# Altium PCB Computer_Board_Mockup.PcbDoc (part 4 of 5) (continued)
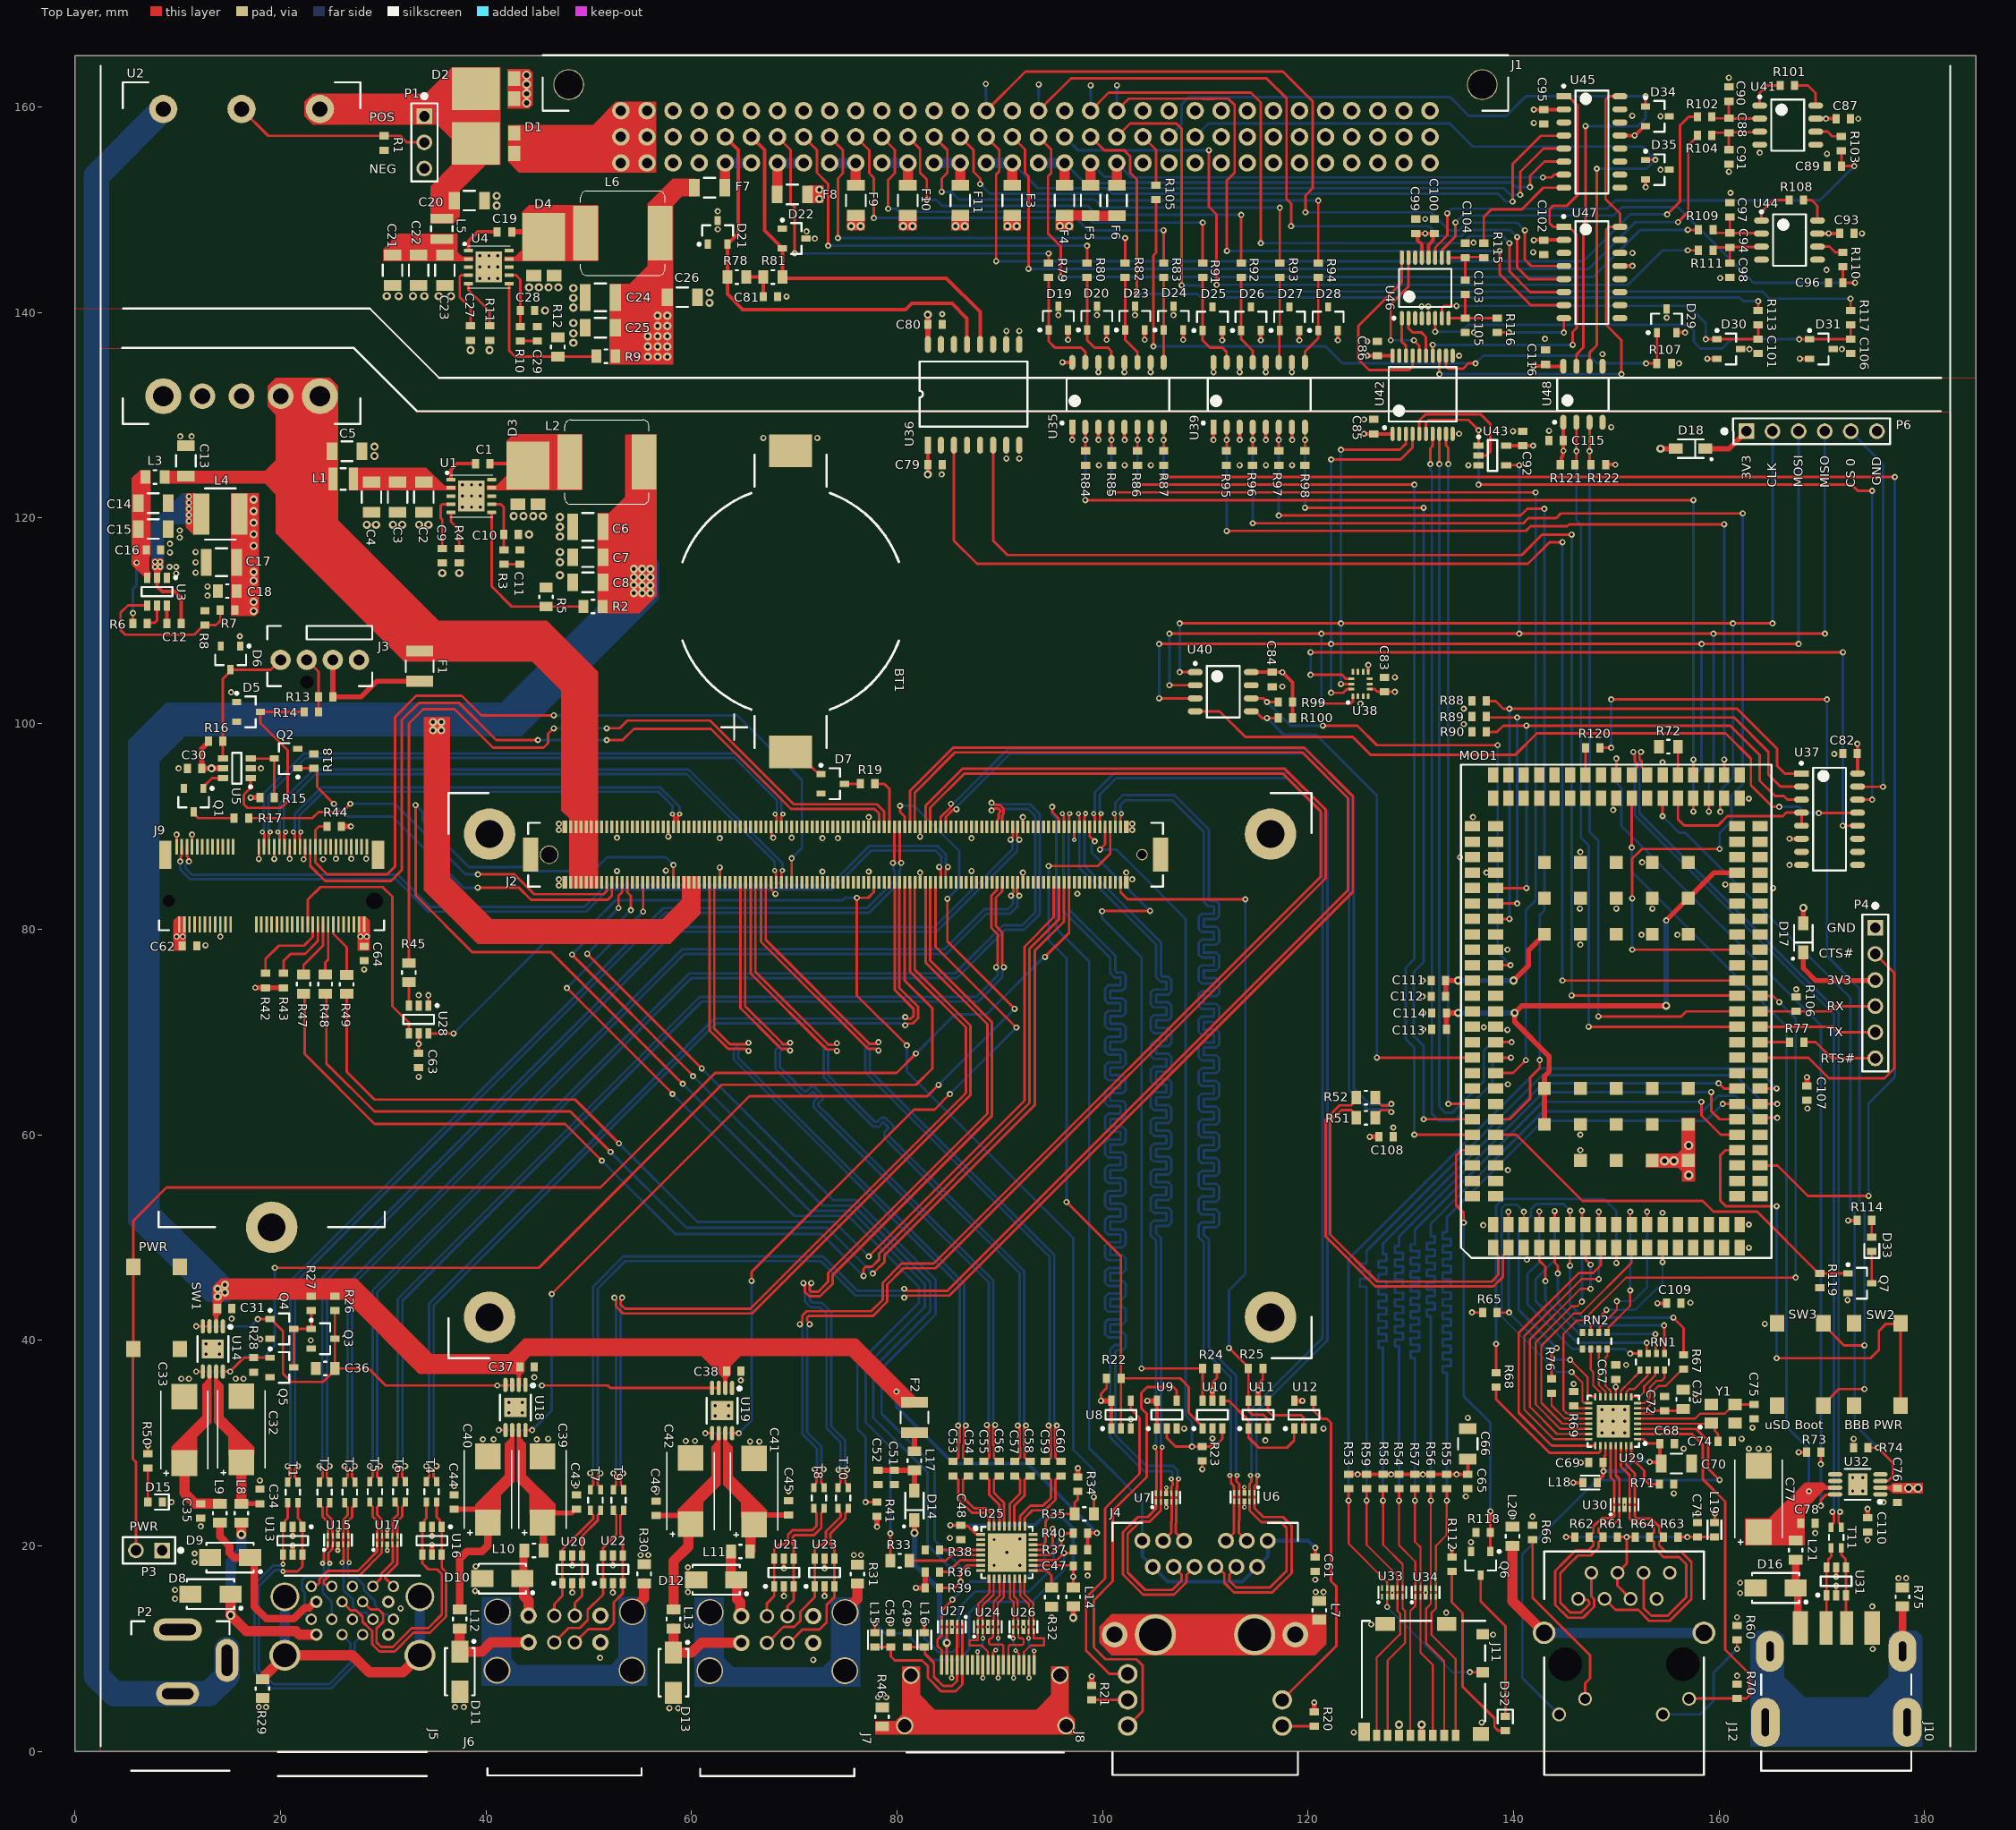
[diagram p0: Top Layer view]
## Nets (pads, with @x,y where several pads share a name; then routed paths per layer and width w, separated by ;. In a path a pad name is that pad's centre, name@x,y a point inside that pad or via, vN(x,y) a via of type N, cw(c..) or ccw(c..) an arc to the next point about the centre after c; other vN are vias at no path point) (continued)
  Top Layer w0.25: MOD1.47@164,72 168.25,72 169.25,72 170.8,72 171.31,72.51 P4.4@175.2,72.51
NetMOD1_89: MOD1.89 R72.2 | length 2.8
  Top Layer w0.2: MOD1.89@156,95 R72.2@156,97.75
NetMOD1_95: MOD1.95 R120.2 | length 2.6
  Top Layer w0.25: MOD1.95@147,95 R120.2@147,97.65
NetP1_2: P1.2 R1.1 U2.2 | length 19.1
  Top Layer w0.25: U2.2@16.22,159.8 18.82,157.2 R1.1@30.1,157.2 31.65,157.2 32.29,156.56 P1.2@34,156.56
NetP4_6: P4.6 R77.2 | length 7.6
  Top Layer w0.25: R77.2@168.27,68.98 R77.2@168.25,69 169.4,69 170.97,67.43 P4.6@175.2,67.43
NetQ1_1: Q1.1 U5.6 | length 2.4
  Top Layer w0.25: Q1.1@12.5,93.7 12.5,93.85 13.35,94.7 U5.6@14.4,94.7
NetQ1_3: Q1.3 R17.1 | length 4.3
  Top Layer w0.25: Q1.3@11.55,91.4 11.55,91.25 12,90.8 R17.1@15.5,90.8
NetQ2_3: Q2.3 R15.1 U5.3 | length 6.1
  Top Layer w0.25: U5.3@17.1,96.6 Q2.3@19.4,96.6 R15.1@19.4,92.8
NetQ3_1: Q3.1 Q4.3 Q5.3 R27.2 | length 7.3
  Top Layer w0.25: Q5.3@21.3,37.35 Q4.3@21.3,41.1 Q3.1@23,41.1 R27.2@23,42.9
NetR2_2: R2.2 R5.1 U1.6 | length 17
  Top Layer w0.25: U1.6@40.55,120.55 40.55,113.35 42.5,111.4 R5.1@45.85,111.4 R2.2@49.5,111.4
NetR4_1: R4.1 U1.5 | length 3.8
  Top Layer w0.25: U1.5@36.6,120.55 36.6,119.65 37.4,118.85 R4.1@37.4,117.05
NetR6_2: R6.2 U3.5 | length 2.5
  Top Layer w0.25: R6.2@7.05,109.75 7.1,109.8 7.75,109.8 8,110.05 U3.5@8,111.5
NetR7_2: R7.2 R8.1 U3.4 | length 16.1
  Top Layer w0.25: U3.4@7.05,111.5 5.15,111.5 4.45,110.8 4.45,109.1 4.9,108.65 11.6,108.65 12.55,109.6 R8.1@12.65,109.6 13.75,109.6 14.15,110 R7.2@14.15,111.05
NetR9_2: R9.2 R12.1 U4.6 | length 15.3
  Top Layer w0.25: U4.6@42.25,142.825 42.25,136.3 42.825,135.725 R12.1@47,135.725 50.725,135.725 R9.2@50.75,135.75
NetR11_1: R11.1 U4.5 | length 5
  Top Layer w0.25: U4.5@38.3,142.825 38.3,142.2 40.35,140.15 R11.1@40.35,138.7
NetR32_1: R32.1 U25.17 | length 3.2
  Top Layer w0.25: U25.17@93.25,17.6 94.55,17.6 95.021,17.129 R32.1@95.021,15.925
NetR34_2: R34.2 R35.2 U25.22 | length 8.8
  Top Layer w0.25: U25.22@93.25,20.1 94.2,20.1 94.45,20.35 94.45,22.4 95.15,23.1 R35.2@97.3,23.1 97.3,24.2 97.6,24.5 R34.2@97.6,25.3
NetR38_1: R38.1 U25.4 | length 4
  Top Layer w0.25: R38.1@84.15,19.6 U25.4@88.15,19.6
NetR45_1: R45.1 U28.3 | length 2.3
  Top Layer w0.25: U28.3@32.5,72.575 R45.1@32.5,74.85
NetR67_2: R67.2 U29.7 | length 6.7
  Top Layer w0.2: U29.7@152.075,33.375 152.975,33.375 153.7,34.1 153.7,35.15 154.1,35.55 154.8,35.55 156.2,36.95 156.45,37.2 R67.2@156.55,37.2
NetR68_2: R68.2 U29.26 | length 14.1
  Top Layer w0.25: R68.2@138.3,35.45 138.3,34.25 143.5,29.05 148.304,29.05 148.45,29.196 U29.26@148.45,29.75
NetR69_2: R69.2 U29.18 | length 1.5
  Top Layer w0.25: R69.2@145.9,33.55 146.075,33.375 146.321,33.375 U29.18@147.325,33.375
NetR71_1: R71.1 U29.32 | length 5.5
  Top Layer w0.25: U29.32@151.45,29.75 151.45,28.55 152.7,27.3 152.7,26.5 153.2,26 R71.1@154.2,26
NetR76_2: R76.2 U29.20 | length 5.4
  Top Layer w0.2: R76.2@143.7,34.85 143.7,33.65 144.975,32.375 U29.20@147.325,32.375
NetR101_1: R101.1 U41.8 | length 3.6
  Top Layer w0.25: R101.1@167.35,162.1 168.65,162.1 169.4,161.35 U41.8@169.4,160.14
NetR101_2: R101.2 U41.1 | length 3.5
  Top Layer w0.25: U41.1@163.95,160.14 163.95,161.35 164.7,162.1 R101.2@165.95,162.1
NetR103_2: R103.2 U41.6 | length 2.7
  Top Layer w0.25: U41.6@169.4,157.6 170.55,157.6 171,157.15 R103.2@171.9,157.15
NetR108_1: R108.1 U44.8 | length 3
  Top Layer w0.25: R108.1@168.2,150.95 169,150.95 169.575,150.375 U44.8@169.575,148.955
NetR108_2: R108.2 U44.1 | length 4
  Top Layer w0.25: U44.1@164.125,148.955 164.125,149.775 165.3,150.95 R108.2@166.8,150.95
NetR110_2: R110.2 U44.6 | length 2.7
  Top Layer w0.25: U44.6@169.575,146.415 170.735,146.415 171.3,145.85 R110.2@172.05,145.85
NetRN1_5: RN1.5 U29.11 | length 3.4
  Top Layer w0.2: U29.11@150.45,34.5 150.45,35.1 151.25,35.9 152.15,36.8 152.15,36.95 RN1.5@152.3,37.1
NetRN1_6: RN1.6 U29.10 | length 3.8
  Top Layer w0.2: U29.10@150.95,34.5 150.975,34.525 150.975,34.975 151.25,35.25 151.75,35.25 153.067,36.567 153.067,37.067 RN1.6@153.1,37.1
NetRN1_7: RN1.7 U29.9 | length 4.1
  Top Layer w0.2: U29.9@151.45,34.5 152.25,34.5 152.7,34.95 152.7,35.5 153.788,36.588 153.788,36.988 RN1.7@153.9,37.1
NetRN1_8: RN1.8 U29.8 | length 5
  Top Layer w0.2: U29.8@152.075,33.875 152.725,33.875 153.25,34.4 153.25,35.4 153.9,36.05 154.4,36.05 154.7,36.35 RN1.8@154.7,37.1
NetRN2_6: RN2.6 U29.15 | length 5
  Top Layer w0.2: RN2.6@147.5,39.15 147.5,37.15 147.75,36.9 147.75,35.6 148.425,34.925 148.425,34.525 U29.15@148.45,34.5
NetRN2_7: RN2.7 U29.14 | length 4.9
  Top Layer w0.2: RN2.7@148.3,39.15 148.3,35.65 148.95,35 U29.14@148.95,34.5
NetRN2_8: RN2.8 U29.13 | length 5
  Top Layer w0.2: RN2.8@149.1,39.15 149.15,39.1 149.15,38.5 148.95,38.3 148.95,35.55 149.45,35.05 U29.13@149.45,34.5
NetU10_4: U10.4 U11.1 U12.1 | length 11.3
  Top Layer w0.25: U10.4@111.65,34.1 112.3,34.1 114.2,32.2 U11.1@114.2,31.4 114.2,30.55 115.2,29.55 117.95,29.55 118.65,30.25 U12.1@118.65,31.4
NetU11_4: U11.4 U12.2 | length 5.8
  Top Layer w0.25: U11.4@116.1,34.1 116.1,33.1 116.5,32.7 119.35,32.7 119.6,32.45 U12.2@119.6,31.4
NetU42_5: U42.5 U43.2 | length 12.8
  Top Layer w0.25: U42.5@130.825,128.2 130.825,129.475 131.45,130.1 136.8,130.1 137.75,129.15 137.75,126.5 137.35,126.1 U43.2@136.599,126.1
OVER_TEMP: MOD1.134 R100.2 U40.5 | length 51.5
  Top Layer w0.25: U40.5@114.475,101.195 114.9,101.195 115.545,100.55 v1(116,100.55) R100.2@117.1,100.55 ; v1(126.7,67.5) 134.15,67.5 MOD1.134@136,67.5
  Bottom Layer w0.25: v1(116,100.55) 117.6,98.95 120.75,98.95 126.7,93 v1(126.7,67.5)
PCIE_CLK_N: J2.A89 J9.49 | length 43.1
  Top Layer w0.25: J9.49@21.9,88.025 21.9,88.748 21.895,88.753 21.895,89.278 22,89.382 v3(22,89.45) ; v3(58.15,91.2) 58.15,91.132 58.325,90.957 58.325,90.571 58.275,90.521 58.275,90.425 58.25,90.4 J2.A89@58.25,89.95
  Bottom Layer w0.25: v3(22,89.45) 22,89.518 21.84,89.678 21.84,91.04 24.17,93.37 56.78,93.37 58.15,92 v3(58.15,91.2)
PCIE_CLK_P: J2.A88 J9.47 | length 44.7
  Top Layer w0.25: v3@21.298,89.402 v3(21.25,89.45) 21.25,89.382 21.4,89.232 J9.47@21.4,88.025 ; J2.A88@58.75,89.95 58.75,90.4 58.725,90.425 58.725,90.521 58.675,90.571 58.675,90.957 58.85,91.132 v3(58.85,91.2)
  Bottom Layer w0.25: v3(21.25,89.45) 21.25,89.518 21.41,89.678 21.41,91.218 23.992,93.8 56.958,93.8 58.85,91.908 v3(58.85,91.2)
PCIE_CLKREQ0#: J2.A49 J9.53 | length 80.2
  Top Layer w0.25: J9.53@22.9,88.025 22.9,86.15 24.35,84.7 30.75,84.7 31.8,85.75 31.8,100.35 33.45,102 37.4,102 41,98.4 v1(45.05,98.4) ; v1(51.75,98.4) 53.3,98.4 54.4,99.5 61.893,99.5 69.693,91.7 77.8,91.7 78.25,91.25 J2.A49@78.25,89.95
  Bottom Layer w0.25: v1(45.05,98.4) v1(51.75,98.4)
PCIE_RX0_N: J2.B68 J9.41 | length 60.3
  Top Layer w0.25: v3(19.75,89.45) 19.75,89.416 19.935,89.231 19.935,88.972 19.935,88.71 19.9,88.675 J9.41@19.9,88.025 ; J2.B68@68.75,84.55 68.75,85.532 68.85,85.632 v3(68.85,85.7)
  Bottom Layer w0.25: v3(19.75,89.45) 19.75,89.518 19.91,89.678 19.91,92.218 23.222,95.53 59.728,95.53 68.85,86.408 v3(68.85,85.7)
PCIE_RX0_P: J2.B69 J9.43 | length 58.8
  Top Layer w0.25: J9.43@20.4,88.025 20.4,88.675 20.365,88.71 20.365,89.15 20.365,89.175 20.405,89.215 20.405,89.382 20.473,89.45 v3(20.5,89.45) ; v3(68.1,85.7) 68.1,85.632 68.225,85.507 68.225,84.575 J2.B69@68.25,84.55
  Bottom Layer w0.25: v3(20.5,89.45) 20.5,89.518 20.34,89.678 20.34,92.04 23.4,95.1 59.55,95.1 67.7,86.95 68.1,86.55 v3(68.1,85.7)
PCIE_TX0_N: J2.A68 J9.35 | length 62
  Top Layer w0.25: v3(18.25,89.45) 18.25,89.435 18.435,89.25 18.435,88.825 18.4,88.79 J9.35@18.4,88.025 ; J2.A68@68.75,89.95 68.725,89.975 68.725,90.475 68.715,90.485 68.715,90.947 68.9,91.132 v3(68.9,91.2)
  Bottom Layer w0.25: v3(18.25,89.45) 18.25,89.518 18.41,89.678 18.41,93.218 22.272,97.08 64.378,97.08 68.74,92.718 68.74,91.428 68.9,91.268 v3(68.9,91.2)
PCIE_TX0_P: J2.A69 J9.37 | length 60.6
  Top Layer w0.25: J9.37@18.9,88.025 18.9,88.79 18.865,88.825 18.865,89.25 18.905,89.29 18.905,89.382 18.973,89.45 v3(19,89.45) ; v3(68.15,91.2) 68.15,91.132 68.285,90.997 68.285,90.485 68.275,90.475 68.275,89.975 J2.A69@68.25,89.95
  Bottom Layer w0.25: v3(19,89.45) 19,89.518 18.84,89.678 18.84,93.04 22.45,96.65 64.2,96.65 68.31,92.54 68.31,91.428 68.15,91.268 v3(68.15,91.2)
PCIE_WAKE0#: J2.B66 J9.55 R44.2 | length 81.7
  Top Layer w0.25: R44.2@24.55,90 23.75,90 23.4,89.65 J9.55@23.4,88.025 23.4,86.5 24.55,85.35 30.4,85.35 31.15,86.1 31.15,100.65 33.2,102.7 37.65,102.7 39.55,100.8 v1(46.6,100.8) ; J2.B66@69.75,84.55 v1(69.75,86.9)
  Bottom Layer w0.25: v1(46.6,100.8) 57.65,100.8 64.45,100.8 70.75,94.5 70.75,87.9 v1(69.75,86.9)
PORT_POT_GND: J1.A19 J15.2 U47.6 | length 66.5
  Top Layer w0.25: J1.A19@98.85,159.64 100.61,161.4 114.45,161.4 115.4,160.45 v1(115.4,146.75) ; v1(139.6,146.75) 139.6,144 141.61,141.99 U47.6@144.9,141.99
  Bottom Layer w0.25: J1.A19@98.85,159.64 J15.2@98.85,161.1 ; v1(115.4,146.75) 135.05,146.75 135.75,147.45 138.9,147.45 v1(139.6,146.75)
PORT_POT_PWR: F5.1 J1.C19 U45.6 | length 50.9
  Top Layer w0.25: v1(141.6,152.2) 141.6,153.3 142.99,154.69 U45.6@144.901,154.69
  Top Layer w1: F5.1@98.85,152.375 J1.C19@98.85,154.56
  Bottom Layer w0.25: J1.C19@98.85,154.56 100.21,153.2 100.9,153.2 101.45,152.65 139.8,152.65 140.25,152.2 v1(141.6,152.2)
PORT_POT_SIG: C101.1 D30.1 R113.1 U46.7 | length 35.5
  Top Layer w0.25: U46.7@133.025,139.45 133.025,140.425 133.25,140.65 v1(134.45,140.65) ; v1(158.7,137.4) D30.1@159.8,137.4 C101.1@163.8,137.4 R113.1@163.8,138.8
  Bottom Layer w0.25: v1(134.45,140.65) 152.35,140.65 157,140.65 158.7,138.95 v1(158.7,137.4)
PORT_POT_SNS: J1.B19 R113.2 | length 79.9
  Top Layer w0.25: J1.B19@98.85,157.1 100.15,155.8 102.1,155.8 102.7,155.2 102.7,153.6 103.35,152.95 v1(103.35,141.8) ; R113.2@163.8,140.2 v1(163.8,141.1)
  Bottom Layer w0.25: v1(103.35,141.8) 109.25,141.8 109.6,141.45 162,141.45 162.35,141.1 v1(163.8,141.1)
PWRBTN#: J2.B12 P3.2 SW1.1 SW1.2 | length 139.8
  Top Layer w0.25: P3.2@5.94,19.55 5.94,28.16 5.65,28.45 5.65,39.1 SW1.1@5.7,39.15 SW1.2@5.7,47.15 5.7,51.65 8.9,54.85 51.15,54.85 62.3,66 79.95,66 v1(81.85,67.9) ; v1(94.4,77.3) 96.75,79.65 J2.B12@96.75,84.55
  Bottom Layer w0.25: v1(81.85,67.9) 85.65,71.7 88.7,71.7 94.3,77.3 v1(94.4,77.3)
REF_CLK: MOD1.11
REFN: R116.2 U47.8 | length 7.9
  Top Layer w0.25: R116.2@138.4,138.05 v1(139.55,138.05) ; v1(144.9,138.05) U47.8@144.9,139.45
  Bottom Layer w0.25: v1(139.55,138.05) v1(144.9,138.05)
REFN_FILT: C103.2 C105.1 R116.1 U46.8 | length 7
  Top Layer w0.25: U46.8@133.675,139.45 C105.1@135.3,139.45 ; C103.2@135.3,141.75 C105.1@135.3,139.45 ; R116.1@138.4,139.45 C105.1@135.3,139.45
REFP: R115.2 U45.8 | length 11.5
  Top Layer w0.25: R115.2@137.1,146.75 137.1,149.3 137.85,150.05 140.8,150.05 142.9,152.15 U45.8@144.901,152.15
REFP_FILT: C103.1 C104.1 R115.1 U46.9 | length 5.7
  Top Layer w0.25: U46.9@133.675,145.35 C104.1@135.3,145.35 ; C103.1@135.3,143.15 C104.1@135.3,145.35 ; R115.1@137.1,145.35 137.05,145.4 135.35,145.4 C104.1@135.3,145.35
RX_DV: MOD1.9 R68.1 | length 35.2
  Top Layer w0.25: R68.1@138.3,36.85 v1(138.3,39.65) ; v1(150,47.515) MOD1.9@150,49
  Bottom Layer w0.25: v1(138.3,39.65) 138.3,53.05 139,53.75 148.8,53.75 150,52.55 v1(150,47.515)
RXCLK: MOD1.6 R67.1 | length 20.1
  Top Layer w0.25: v1(145.5,47.25) MOD1.6@145.5,49 ; v1(155.55,42.2) 156.55,41.2 R67.1@156.55,38.6
  Bottom Layer w0.25: v1(145.5,47.25) 145.5,43.45 146.75,42.2 v1(155.55,42.2)
RXD0: MOD1.21 RN1.4 | length 23.7
  Top Layer w0.25: MOD1.21@142.5,51.25 v1(142.5,52.534) ; v1(151.35,38.7) RN1.4@152.3,38.7
  Bottom Layer w0.25: v1(142.5,52.534) 142.5,47.6 141.35,46.45 141.35,43.5 145.7,39.15 150.845,39.15 151.295,38.7 v1(151.35,38.7)
RXD1: MOD1.22 RN1.3 | length 24.4
  Top Layer w0.25: MOD1.22@144,51.25 v1(144,52.564) ; v1(152.95,39.75) 152.95,39.071 152.975,39.046 152.975,38.825 RN1.3@153.1,38.7
  Bottom Layer w0.25: v1(144,52.564) 144,47.8 142.15,45.95 142.15,43.8 146.2,39.75 v1(152.95,39.75)
RXD2: MOD1.4 RN1.2 | length 19.4
  Top Layer w0.25: MOD1.4@142.5,49 142.5,47.746 143.096,47.15 v1(143.096,45.75) ; v1(153.8,40.6) 153.85,40.55 153.85,38.75 RN1.2@153.9,38.7
  Bottom Layer w0.25: v1(143.096,45.75) 143.096,43.904 146.4,40.6 v1(153.8,40.6)
RXD3: MOD1.5 RN1.1 | length 19.5
  Top Layer w0.25: MOD1.5@144,49 144,47.543 144.298,47.245 v1(144.298,46.5) ; v1(154.65,41.45) 154.675,41.425 154.675,38.725 RN1.1@154.7,38.7
  Bottom Layer w0.25: v1(144.298,46.5) 144.298,43.652 146.5,41.45 v1(154.65,41.45)
RXERR: MOD1.27 RN2.1 | length 14
  Top Layer w0.2: RN2.1@149.1,40.75 149.237,40.887 149.237,41.237 151.35,43.35 v1(151.35,44.85) ; v1(151.35,52.5) 151.35,51.4 MOD1.27@151.5,51.25
  Bottom Layer w0.2: v1(151.35,44.85) v1(151.35,52.5)
SHIELD: J4.18 L7.1
SMB_ALERT#: J2.B15 R49.2 | length 109.7
  Top Layer w0.25: R49.2@26.45,73.7 26.45,66.119 29.15,63.419 48.681,63.419 v1(52.95,59.15) ; v1(77.25,48.15) 92.4,63.3 92.4,78.3 95.25,81.15 J2.B15@95.25,84.55
  Bottom Layer w0.25: v1(52.95,59.15) 60.6,51.5 73.9,51.5 v1(77.25,48.15)
SMB_CLK: J2.B13 R48.2 | length 114.2
  Top Layer w0.25: R48.2@24.35,73.725 24.475,73.6 24.475,66.927 29.15,62.252 48.198,62.252 v1(52.125,58.325) ; v1(77.65,46.5) 78.8,47.65 78.8,48.286 93.4,62.886 93.4,77.886 96.25,80.736 J2.B13@96.25,84.55
  Bottom Layer w0.25: v1(52.125,58.325) 59.5,50.95 73.2,50.95 v1(77.65,46.5)
SMB_DATA: J2.B14 R47.2 | length 115.8
  Top Layer w0.25: R47.2@22.25,73.725 22.375,73.6 22.375,67.825 29.15,61.05 47.7,61.05 v1(51.275,57.475) ; v1(76.75,46.25) 76.75,46.943 76.979,47.171 77.571,47.171 78.279,47.879 78.279,48.471 92.9,63.093 92.9,78.093 95.75,80.943 J2.B14@95.75,84.55
  Bottom Layer w0.25: v1(51.275,57.475) 58.4,50.35 72.65,50.35 v1(76.75,46.25)
SPI_CLK: MOD1.103 P6.2 U38.13 U40.1 U42.3 | length 134.3
  Top Layer w0.25: v1@107.5,105 v1(107.505,105.005) U40.1@109.025,105.005 ; v1@107.5,109.75 v1(107.505,109.75) v1(123.2,109.75) v1(161.35,109.75) v1(165.2,109.75) ; v1(123.2,103.85) U38.13@124.211,103.85 ; v1@123.25,126.65 128.935,126.65 129.525,127.24 U42.3@129.525,128.2 ; v1(160.125,91.425) 160.125,92.375 MOD1.103@160.5,92.75
  Bottom Layer w0.25: v1(107.505,105.005) v1(107.505,109.75) ; v1(123.2,103.85) v1(123.2,109.75) v1(123.2,126.65) ; v1(160.125,91.425) 160.125,93.475 161.35,94.7 v1(161.35,109.75) ; v1(165.2,109.75) P6.2@165.2,128.45
SPI_CLK_5V: U42.18 U46.1 | length 3.8
  Top Layer w0.25: U46.1@129.125,139.45 129.125,137.175 129.525,136.775 U42.18@129.525,135.8
SPI_CS0: MOD1.106 U37.4 U37.5 | length 16.1
  Top Layer w0.25: MOD1.106@156,92.75 156,90.7 156.6,90.1 159.915,90.1 160.815,91 166.208,91 166.543,91.335 U37.4@168.025,91.335 U37.5@168.025,90.065
SPI_CS_EXT: P6.5 U37.15 | length 38.4
  Top Layer w0.25: U37.15@173.475,93.875 173.5,93.85 175.596,93.85 ; 175.585,93.861 175.596,93.85 ; v1(175.95,93.85) 175.596,93.85
  Bottom Layer w0.25: P6.5@172.82,128.45 172.82,128.38 175.95,125.25 v1(175.95,93.85)
SPI_MISO: MOD1.104 P6.4 U38.1 U40.2 U43.4 | length 137.9
  Top Layer w0.25: v1@106.5,108.75 v1(106.515,108.75) v1(121.3,108.75) v1(140.55,108.75) v1(159.45,108.75) v1(170.3,108.75) ; v1(106.515,103.735) U40.2@109.025,103.735 ; v1(121.3,101.95) 124.15,101.95 124.361,102.161 U38.1@124.361,102.67 ; U43.4@139.299,125.15 v1(140.55,125.15) ; v1(159,91.45) MOD1.104@159,92.75
  Bottom Layer w0.25: v1(106.515,103.735) v1(106.515,108.75) ; v1(121.3,101.95) v1(121.3,108.75) ; v1(140.55,108.75) v1(140.55,125.15) ; v1(159,91.45) 159,94.2 159.45,94.65 v1(159.45,108.75) ; v1@170.28,108.75 P6.4@170.28,128.45
SPI_MISO_5V: U42.16 U46.15 | length 12.7
  Top Layer w0.25: v1(128.05,137.3) 128.05,140.8 129.775,142.525 U46.15@129.775,145.35 ; v1(130.3,137.3) 130.825,136.775 U42.16@130.825,135.8
  Bottom Layer w0.25: v1(128.05,137.3) v1(130.3,137.3)
SPI_MOSI: MOD1.105 P6.3 U38.14 U40.3 U42.4 | length 144.2
  Top Layer w0.25: v1@105.5,107.75 v1(105.515,107.75) v1(122.25,107.75) v1(158.3,107.75) v1(167.75,107.75) ; v1(105.515,102.465) U40.3@109.025,102.465 ; v1(122.25,103) 123.4,103 123.75,103.35 U38.14@124.211,103.35 ; v1(122.25,125.7) 129,125.7 130.175,126.875 U42.4@130.175,128.2 ; v1(157.5,91.45) MOD1.105@157.5,92.75
  Bottom Layer w0.25: v1(105.515,102.465) v1(105.515,107.75) ; v1(122.25,103) v1(122.25,107.75) v1(122.25,125.7) ; v1(157.5,91.45) 157.5,94.9 158.3,95.7 v1(158.3,107.75) ; v1@167.74,107.75 P6.3@167.74,128.45
SPI_MOSI_5V: U42.17 U46.16 | length 18.6
  Top Layer w0.25: U46.16@129.125,145.35 129.125,142.925 124.9,138.7 124.9,135.45 125.95,134.4 129.85,134.4 130.175,134.725 U42.17@130.175,135.8
STBD_POT_GND: J1.A20 J16.2 U47.7 | length 64.5
  Top Layer w0.25: J1.A20@101.39,159.64 102.565,160.815 109.735,160.815 109.75,160.8 110.886,160.8 110.901,160.815 112.235,160.815 112.85,160.2 112.85,153.6 112.1,152.85 v1(112.1,146) ; v1(138.65,146) 138.65,143.75 141.68,140.72 U47.7@144.9,140.72
  Bottom Layer w0.25: J1.A20@101.39,159.64 101.395,159.645 101.395,161.095 J16.2@101.4,161.1 ; v1(112.1,146) v1(138.65,146)
STBD_POT_PWR: F6.1 J1.C20 U45.7 | length 46.4
  Top Layer w0.25: v1(142.85,153.15) 143.703,153.15 143.974,153.42 U45.7@144.901,153.42
  Top Layer w1: J1.C20@101.39,154.56 101.395,154.555 101.395,152.38 F6.1@101.4,152.375
  Bottom Layer w0.25: J1.C20@101.39,154.56 102.8,153.15 v1(142.85,153.15)
STBD_POT_SIG: C106.1 D31.1 R117.1 U46.6 | length 45.4
  Top Layer w0.25: v1(132.375,138.125) U46.6@132.375,139.45 ; v1(167.8,137.4) D31.1@168.8,137.4 C106.1@172.8,137.4 R117.1@172.8,138.8
  Bottom Layer w0.25: v1(132.375,138.125) 134.875,138.125 135.55,138.8 153.1,138.8 157,138.8 157.55,138.25 157.55,137.15 158.2,136.5 160.3,136.5 161.2,137.4 v1(167.8,137.4)
STBD_POT_SNS: J1.B20 R117.2 | length 89.1
  Top Layer w0.25: J1.B20@101.39,157.1 102.69,158.4 107.2,158.4 107.7,157.9 v1(107.7,142.65) ; R117.2@172.8,140.2 v1(172.8,141.35)
  Bottom Layer w0.25: v1(107.7,142.65) 109.55,142.65 110.15,142.05 164.2,142.05 164.9,141.35 v1(172.8,141.35)
TEMP_SENSOR_C\S\: U37.13 U40.4 | length 71.8
  Top Layer w0.25: U40.4@109.025,101.195 111.405,101.195 113.9,98.7 124.35,98.7 126.1,96.95 140.15,96.95 142.25,99.05 160.65,99.05 163.1,96.6 163.1,94 165.2,91.9 v1(165.85,91.9) ; v1(169.7,91.3) 173.44,91.3 U37.13@173.475,91.335
  Bottom Layer w0.25: v1(165.85,91.9) 167.8,91.9 168.4,91.3 v1(169.7,91.3)
TMDSX_CLK_N: C54.1 J2.B82 | length 69.7
  Top Layer w0.25: J2.B82@61.75,84.55 61.775,84.525 61.775,84.025 61.775,70.139 63.564,68.35 65.255,68.35 65.455,68.15 v1(65.55,68.15) ; v1(86.7,31.7) 86.7,31.605 86.55,31.455 86.55,29.874 86.425,29.749 86.425,28.571 86.571,28.425 86.725,28.425 C54.1@86.95,28.2
  Bottom Layer w0.25: v1(65.55,68.15) 65.455,68.15 65.28,68.325 64.761,68.325 64.55,68.114 64.55,67.5 86.55,45.5 86.55,31.945 86.7,31.795 v1(86.7,31.7)
TMDSX_CLK_P: C53.1 J2.B81 | length 69.7
  Top Layer w0.25: J2.B81@62.25,84.55 62.225,84.525 62.225,70.325 63.75,68.8 65.305,68.8 65.455,68.95 v1(65.55,68.95) ; C53.1@85.45,28.2 85.675,28.425 85.829,28.425 85.975,28.571 85.975,29.935 86.1,30.06 86.1,31.455 85.95,31.605 v1(85.95,31.7)
  Bottom Layer w0.25: v1(65.55,68.95) 65.455,68.95 65.28,68.775 64.575,68.775 64.1,68.3 64.1,67.314 86.1,45.314 86.1,31.945 85.95,31.795 v1(85.95,31.7)
TMDSX_DATA0_N: C56.1 J2.B76 | length 70.4
  Top Layer w0.25: J2.B76@64.75,84.55 64.775,84.525 64.775,84.025 64.775,72.314 68.232,68.857 68.739,68.35 69.355,68.35 69.505,68.2 v1(69.6,68.2) ; v1(89.55,31.75) 89.55,31.655 89.375,31.48 89.375,29.797 89.425,29.747 89.425,28.571 89.571,28.425 89.725,28.425 C56.1@89.95,28.2
  Bottom Layer w0.25: v1(69.6,68.2) 69.505,68.2 69.355,68.35 68.925,68.35 68.6,68.025 68.6,66.6 70.8,64.4 70.982,64.218 71.189,64.218 71.606,64.636 71.979,64.636 72.773,63.842 72.773,63.469 72.355,63.052 72.355,62.845 73.25,61.95 89.375,45.825 89.375,32.02 89.55,31.845 v1(89.55,31.75)
TMDSX_DATA0_P: C55.1 J2.B75 | length 70.4
  Top Layer w0.25: J2.B75@65.25,84.55 65.225,84.525 65.225,72.5 68.682,69.043 68.925,68.8 69.355,68.8 69.505,68.95 v1(69.6,68.95) ; C55.1@88.45,28.2 88.675,28.425 88.829,28.425 88.975,28.571 88.975,29.56 88.925,29.61 88.925,31.48 88.75,31.655 v1(88.75,31.75)
  Bottom Layer w0.25: v1(69.6,68.95) 69.505,68.95 69.355,68.8 68.739,68.8 68.15,68.211 68.15,66.414 70.482,64.082 70.795,63.768 71.375,63.768 71.792,64.186 72.323,63.655 71.905,63.238 71.905,62.658 72.932,61.632 88.925,45.639 88.925,32.02 88.75,31.845 v1(88.75,31.75)
TMDSX_DATA1_N: C58.1 J2.B74 | length 71.2
  Top Layer w0.25: J2.B74@65.75,84.55 65.775,84.525 65.775,84.025 65.775,75.675 73.15,68.3 73.905,68.3 74.055,68.15 v1(74.15,68.15) ; v1(92.55,31.7) 92.55,31.605 92.375,31.43 92.375,29.772 92.425,29.722 92.425,28.571 92.571,28.425 92.725,28.425 C58.1@92.95,28.2
  Bottom Layer w0.25: v1(74.15,68.15) 74.055,68.15 73.905,68.3 73.475,68.3 73.3,68.125 73.3,65.8 77.675,61.425 77.857,61.243 78.064,61.243 78.481,61.661 78.854,61.661 79.648,60.867 79.648,60.494 79.23,60.077 79.23,59.87 79.775,59.325 82.4,56.7 82.552,56.548 92.375,46.725 92.375,31.97 92.55,31.795 v1(92.55,31.7)
TMDSX_DATA1_P: C57.1 J2.B73 | length 71.2
  Top Layer w0.25: J2.B73@66.25,84.55 66.225,84.525 66.225,75.861 73.336,68.75 73.905,68.75 74.055,68.9 v1(74.15,68.9) ; C57.1@91.45,28.2 91.675,28.425 91.829,28.425 91.975,28.571 91.975,29.535 91.925,29.585 91.925,31.43 91.75,31.605 v1(91.75,31.7)
  Bottom Layer w0.25: v1(74.15,68.9) 74.055,68.9 73.905,68.75 73.289,68.75 72.85,68.311 72.85,65.614 77.357,61.107 77.67,60.793 78.25,60.793 78.667,61.211 79.198,60.68 78.78,60.263 78.78,59.683 79.457,59.007 91.925,46.539 91.925,31.97 91.75,31.795 v1(91.75,31.7)
TMDSX_DATA2_N: C60.1 J2.B72 | length 70.5
  Top Layer w0.25: J2.B72@66.75,84.55 66.775,84.525 66.775,84.025 66.775,78.775 77.175,68.375 77.93,68.375 78.105,68.2 v1(78.2,68.2) ; v1(95.55,31.7) 95.55,31.605 95.375,31.43 95.375,29.772 95.425,29.722 95.425,28.571 95.571,28.425 95.725,28.425 C60.1@95.95,28.2
  Bottom Layer w0.25: v1(78.2,68.2) 78.105,68.2 77.93,68.375 77.525,68.375 77.35,68.2 77.35,66.25 95.308,48.292 95.308,32.037 95.55,31.795 v1(95.55,31.7)
TMDSX_DATA2_P: C59.1 J2.B71 | length 70.5
  Top Layer w0.25: J2.B71@67.25,84.55 67.225,84.525 67.225,78.961 77.361,68.825 77.93,68.825 78.105,69 v1(78.2,69) ; C59.1@94.45,28.2 94.675,28.425 94.829,28.425 94.975,28.571 94.975,29.535 94.925,29.585 94.925,31.43 94.75,31.605 v1(94.75,31.7)
  Bottom Layer w0.25: v1(78.2,69) 78.105,69 77.93,68.825 77.339,68.825 76.9,68.386 76.9,66.064 94.858,48.106 94.858,32.021 94.817,31.98 94.817,31.767 v1(94.75,31.7)
TXCLK: MOD1.23 R76.1 | length 24.4
  Top Layer w0.25: R76.1@143.7,36.25 143.7,38.75 v1(144.2,39.25) ; MOD1.23@145.5,51.25 v1(145.5,52.6)
  Bottom Layer w0.25: v1(144.2,39.25) 140.5,42.95 140.5,50.85 141.7,52.05 141.7,52.75 142.2,53.25 144.85,53.25 v1(145.5,52.6)
TXD0: MOD1.24 U29.22 | length 28.7
  Top Layer w0.2: v1(146.65,43.75) 146.2,43.3 145.65,43.3 142.15,39.8 142.15,33.764 144.539,31.375 U29.22@147.325,31.375
  Top Layer w0.25: v1(146.65,52.6) 146.65,51.6 MOD1.24@147,51.25
  Bottom Layer w0.25: v1(146.65,43.75) v1(146.65,52.6)
TXD1: MOD1.7 U29.23 | length 25.6
  Top Layer w0.2: U29.23@147.325,30.875 144.225,30.875 141.6,33.5 141.6,40.1 146.5,45 v1(147.5,45)
  Top Layer w0.25: MOD1.7@147,49 147,47.85 v1(147.5,47.35)
  Bottom Layer w0.25: v1@147.45,45.05 v1(147.5,45) v1(147.5,47.35)
TXD2: MOD1.25 U29.24 | length 32
  Top Layer w0.2: U29.24@147.325,30.375 143.925,30.375 141.05,33.25 141.05,40.4 146.6,45.95 v1(148.291,45.95)
  Top Layer w0.25: v1@148.3,52.5 148.3,51.45 MOD1.25@148.5,51.25
  Bottom Layer w0.25: v1(148.291,45.95) v1(148.291,52.5)
TXD3: MOD1.8 U29.25 | length 29
  Top Layer w0.25: U29.25@147.95,29.75 143.7,29.75 140.5,32.95 140.5,40.7 146.35,46.55 147.75,46.55 148.5,47.3 MOD1.8@148.5,49
TXEN: MOD1.10 U29.21 | length 24.6
  Top Layer w0.2: U29.21@147.325,31.875 144.739,31.875 142.7,33.914 142.7,39.45 145.85,42.6 146.55,42.6 151.5,47.55 MOD1.10@151.5,49
USB0_5V: D8.1 J5.1 L8.2 | length 20.6
  Top Layer w1: D8.1@15.15,15.3 15.15,14.975 v6(15.15,13.25) 16.7,11.7 21.5,11.7 21.85,11.35 J5.1@23.5,11.35 ; v6(16.2,21.1) L8.2@16.2,22.25
  Bottom Layer w1: v6(15.15,13.25) 15.15,18.4 16.2,19.45 v6(16.2,21.1)
USB0_C_N: J5.2 T1.2 U13.1 U13.6 | length 33.1
  Top Layer w0.25: v3(20.25,17.5) 21.65,17.5 22.15,18 U13.6@22.15,19.15 U13.1@22.15,21.85 21.975,22.025 21.975,22.425 21.7,22.7 T1.2@21.7,24.2
  Bottom Layer w0.25: v3(20.25,17.5) 20.182,17.5 20.045,17.637 19.464,17.637 17.9,16.074 17.9,7.95 19.3,6.55 24.75,6.55 26.8,8.6 26.8,10.55 J5.2@26,11.35
USB0_C_P: J5.3 T1.3 U13.3 U13.4 | length 32.9
  Top Layer w0.25: v3(20.25,18.2) U13.4@20.25,19.15 U13.3@20.25,21.85 20.425,22.025 20.425,22.425 20.7,22.7 T1.3@20.7,24.2
  Bottom Layer w0.25: v3(20.25,18.2) 20.182,18.2 20.045,18.062 19.287,18.062 17.475,16.25 17.475,7.774 19.124,6.125 24.926,6.125 27.225,8.424 27.225,10.575 J5.3@28,11.35
USB0_C_RX_N: J5.5 T2.3 U15.1 U15.10 | length 14.1
  Top Layer w0.25: T2.3@23.8,24.2 23.8,24 23.925,23.875 23.941,23.875 24.088,23.729 24.088,22.872 24.637,22.322 24.637,21.418 24.625,21.406 24.625,20.993 U15.10@24.6,20.968 U15.1@24.6,20.132 24.6,19.845 24.238,19.483 24.238,18.505 24.1,18.368 v3(24.1,18.3)
  Bottom Layer w0.25: J5.5@23,12.85 22.95,12.85 22.35,13.45 22.35,15.45 22.125,15.675 22.125,16.675 22.45,17 23.9,17 24.238,17.338 24.238,18.095 24.1,18.232 v3(24.1,18.3)
USB0_C_RX_P: J5.6 T2.2 U15.2 U15.9 | length 12.6
  Top Layer w0.25: v3(24.8,18.3) 24.8,18.368 24.663,18.505 24.663,19.307 25.075,19.719 25.075,20.107 U15.2@25.1,20.132 U15.9@25.1,20.968 25.075,20.993 25.075,21.406 25.063,21.418 25.063,22.498 24.513,23.048 24.513,23.729 24.659,23.875 24.675,23.875 24.8,24 T2.2@24.8,24.2
  Bottom Layer w0.25: v3(24.8,18.3) 24.8,18.232 24.663,18.095 24.663,17.213 24.125,16.675 24.125,15.425 25,14.55 J5.6@25,12.85